# Altium PCB BRD_EPM240.PcbDoc (part 1 of 2)
Units mm, origin at the board's own origin, x right, y up, seen from the top; angles counter-clockwise.
Board outline 70.2 x 70 mm, 2 copper layers (Top Layer, Bottom Layer); 159 components, 112 nets, 540 pads, 248 vias.
Unrouted connection lines stored in the file: 31.
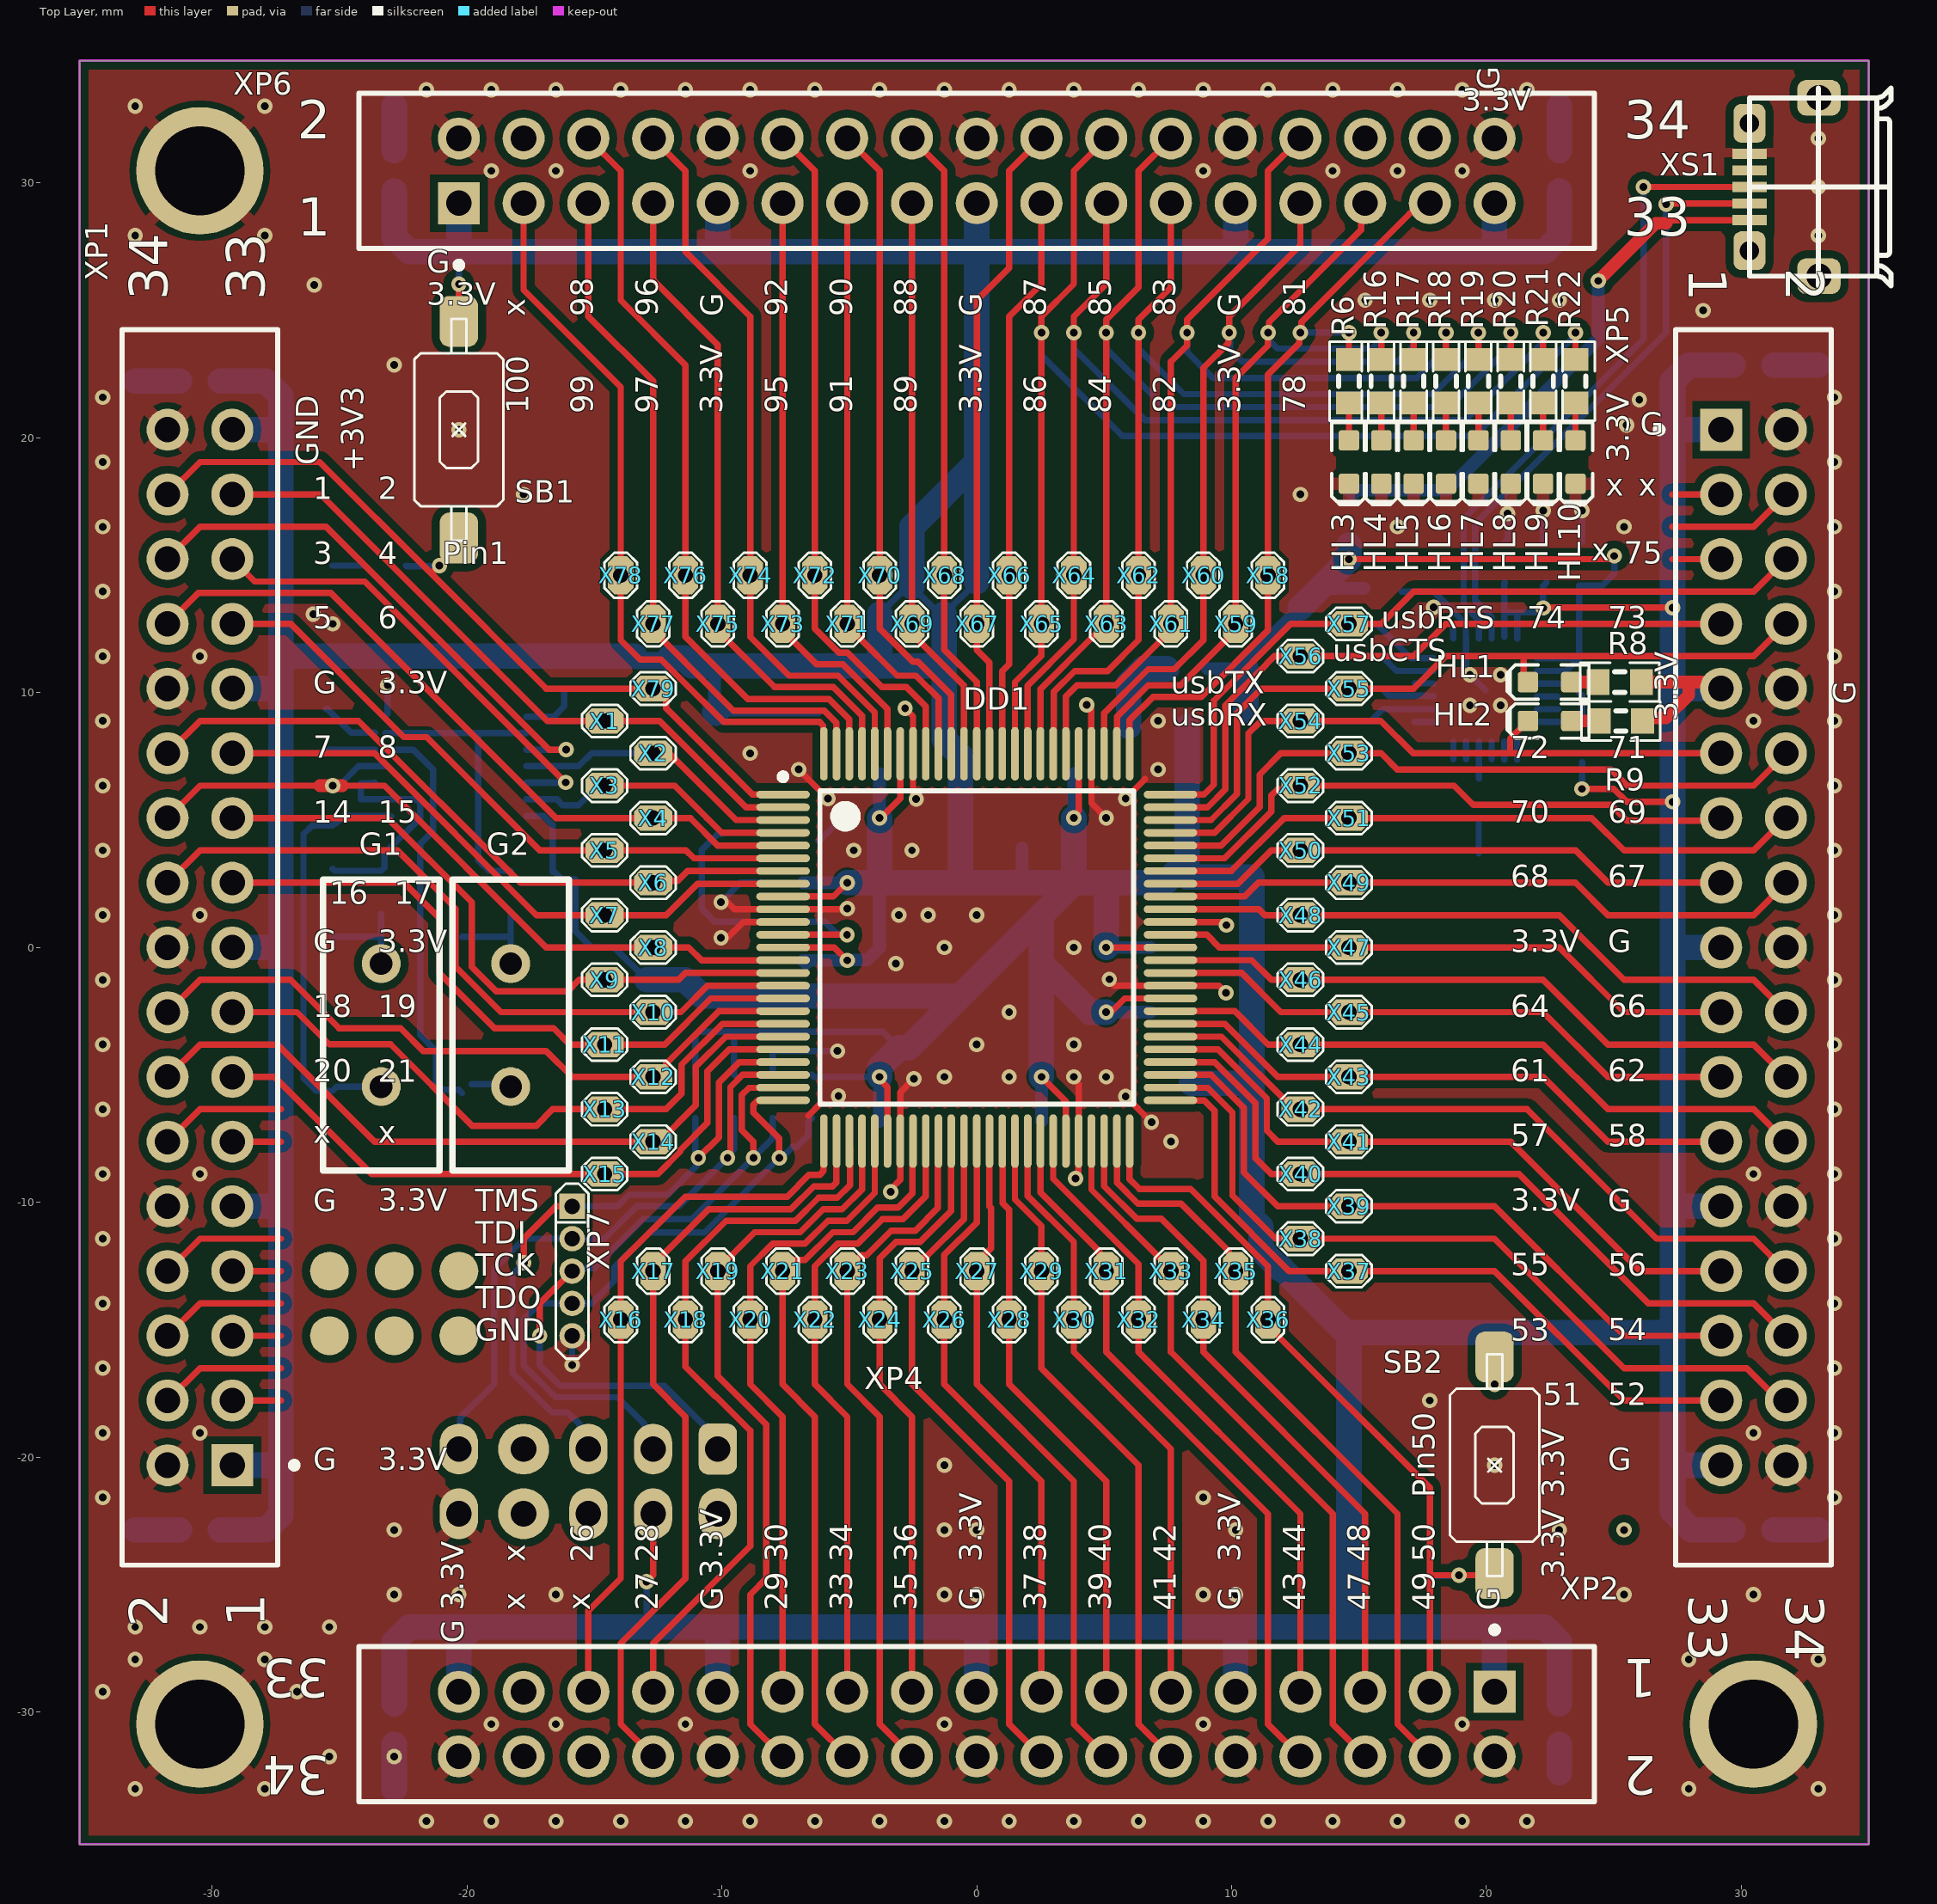
[diagram p0: Top Layer view]
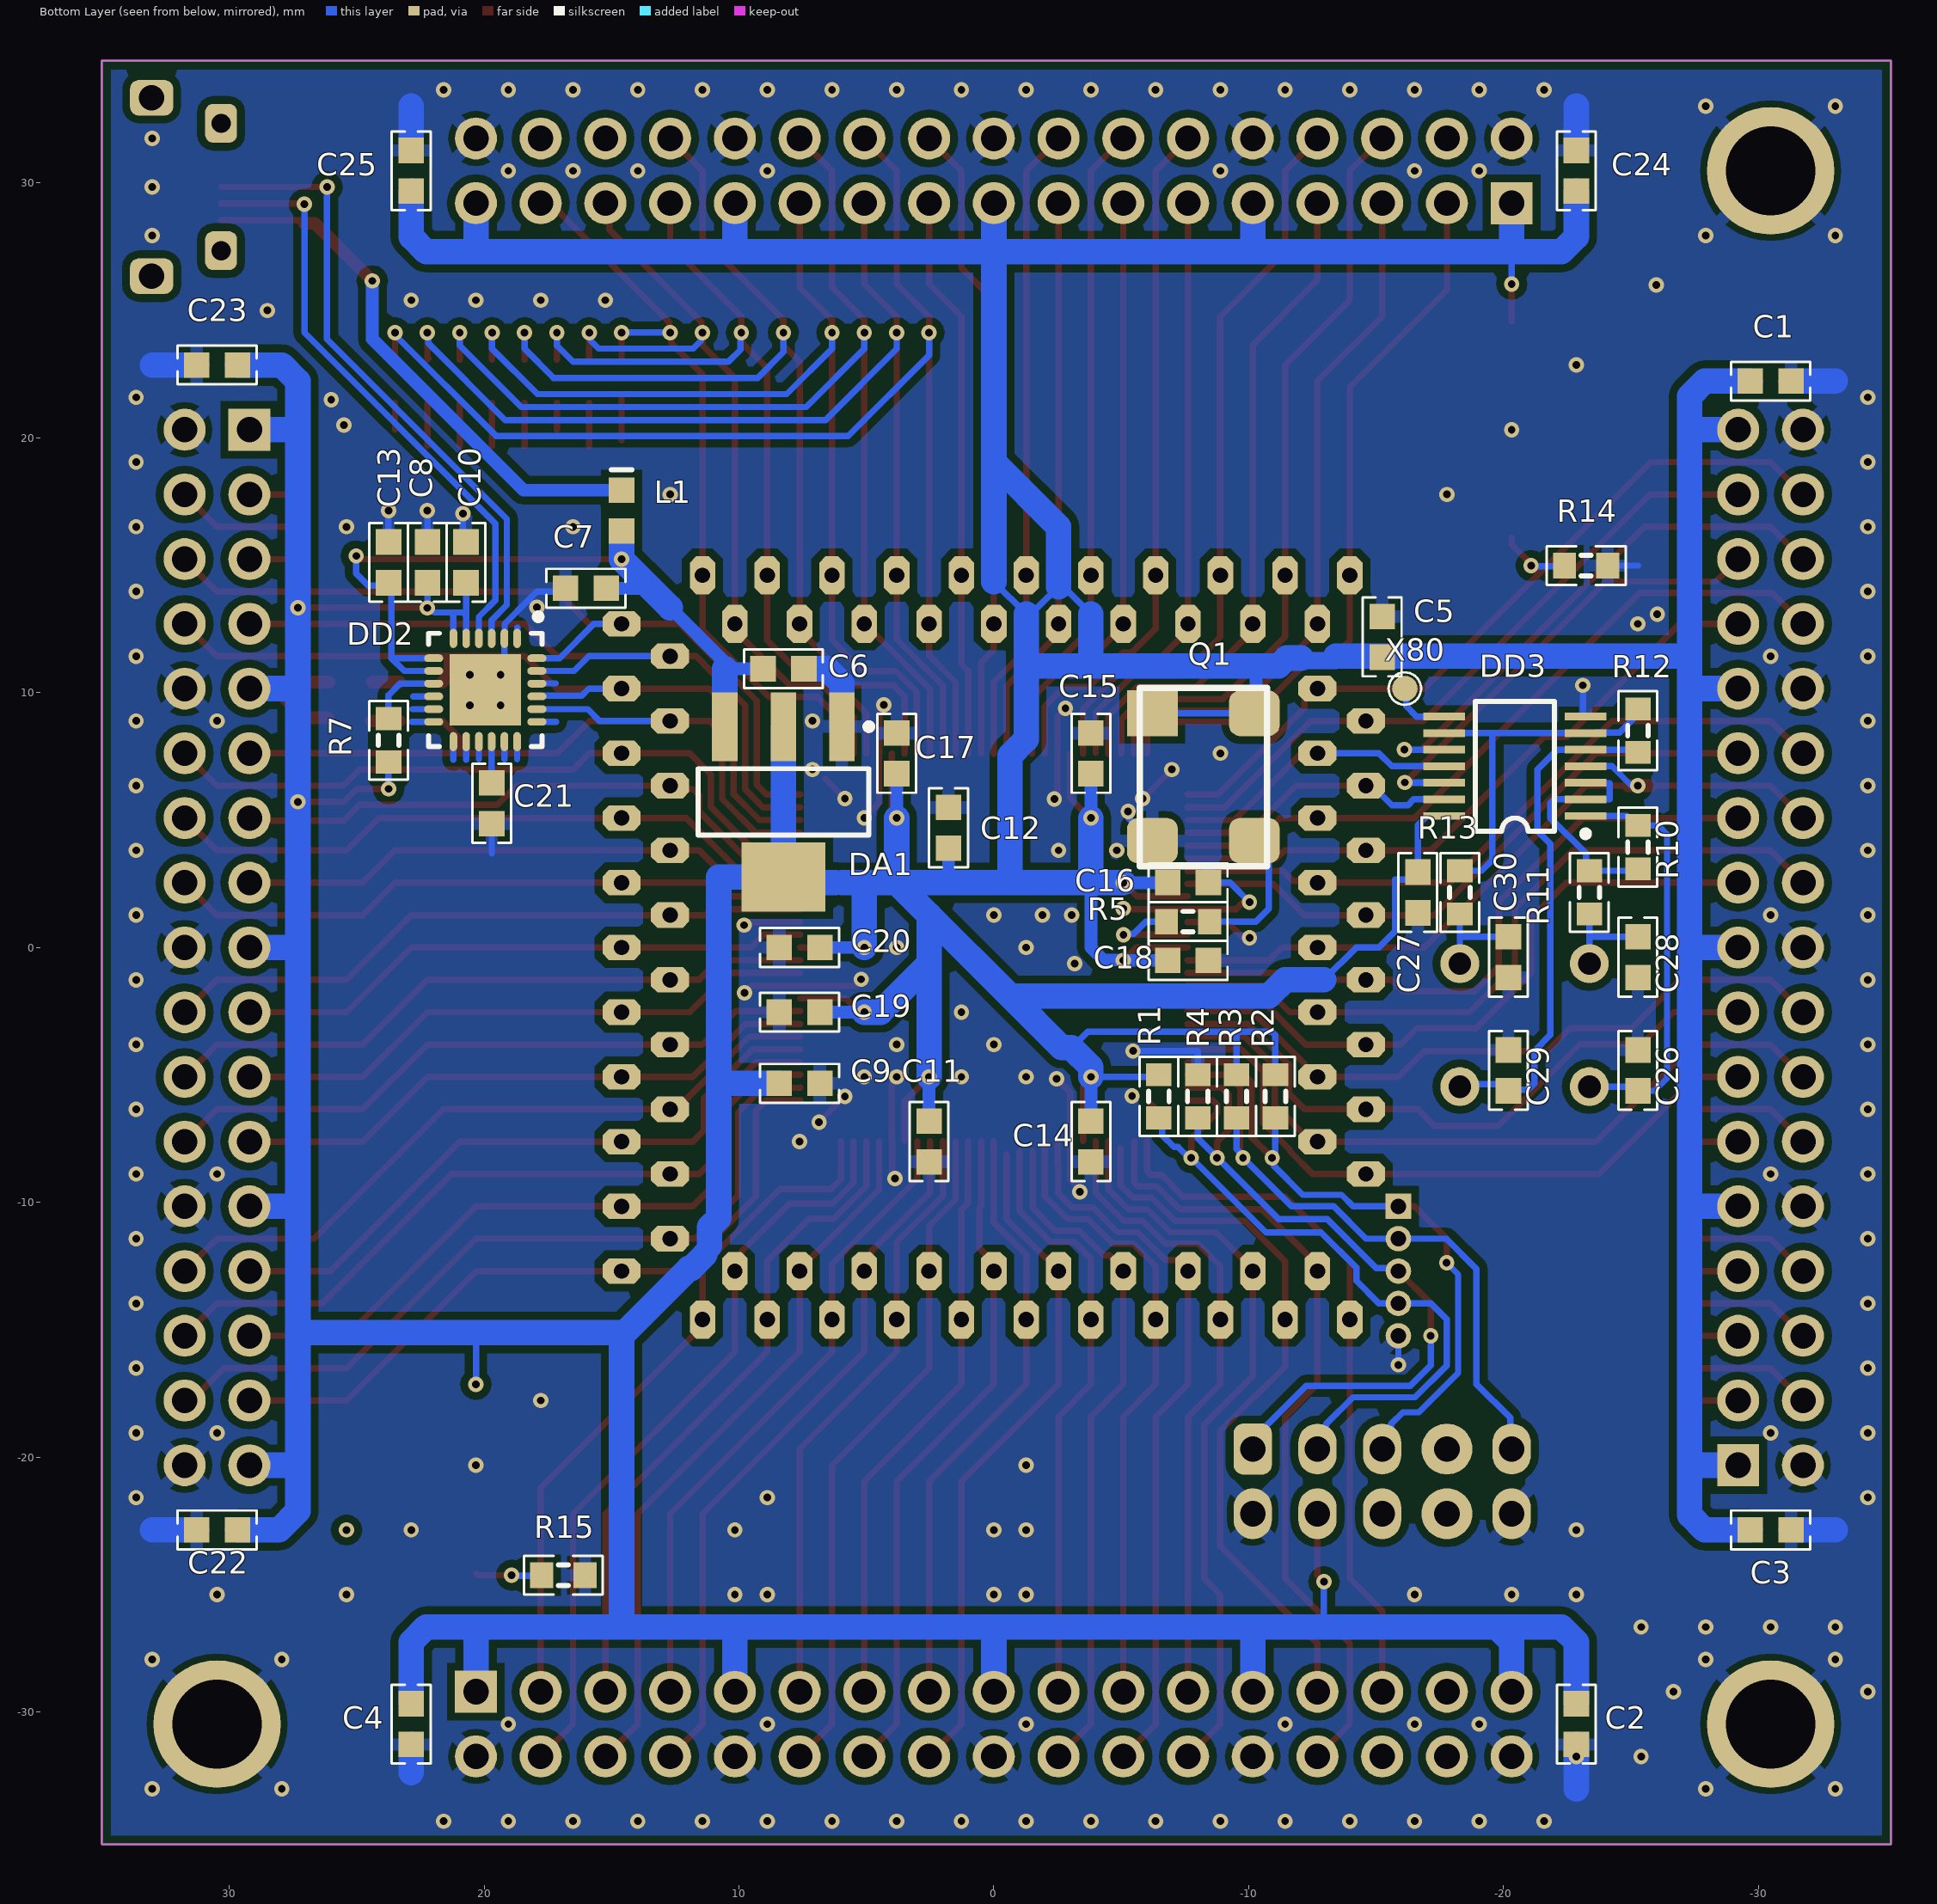
[diagram p1: Bottom Layer view, seen from below]
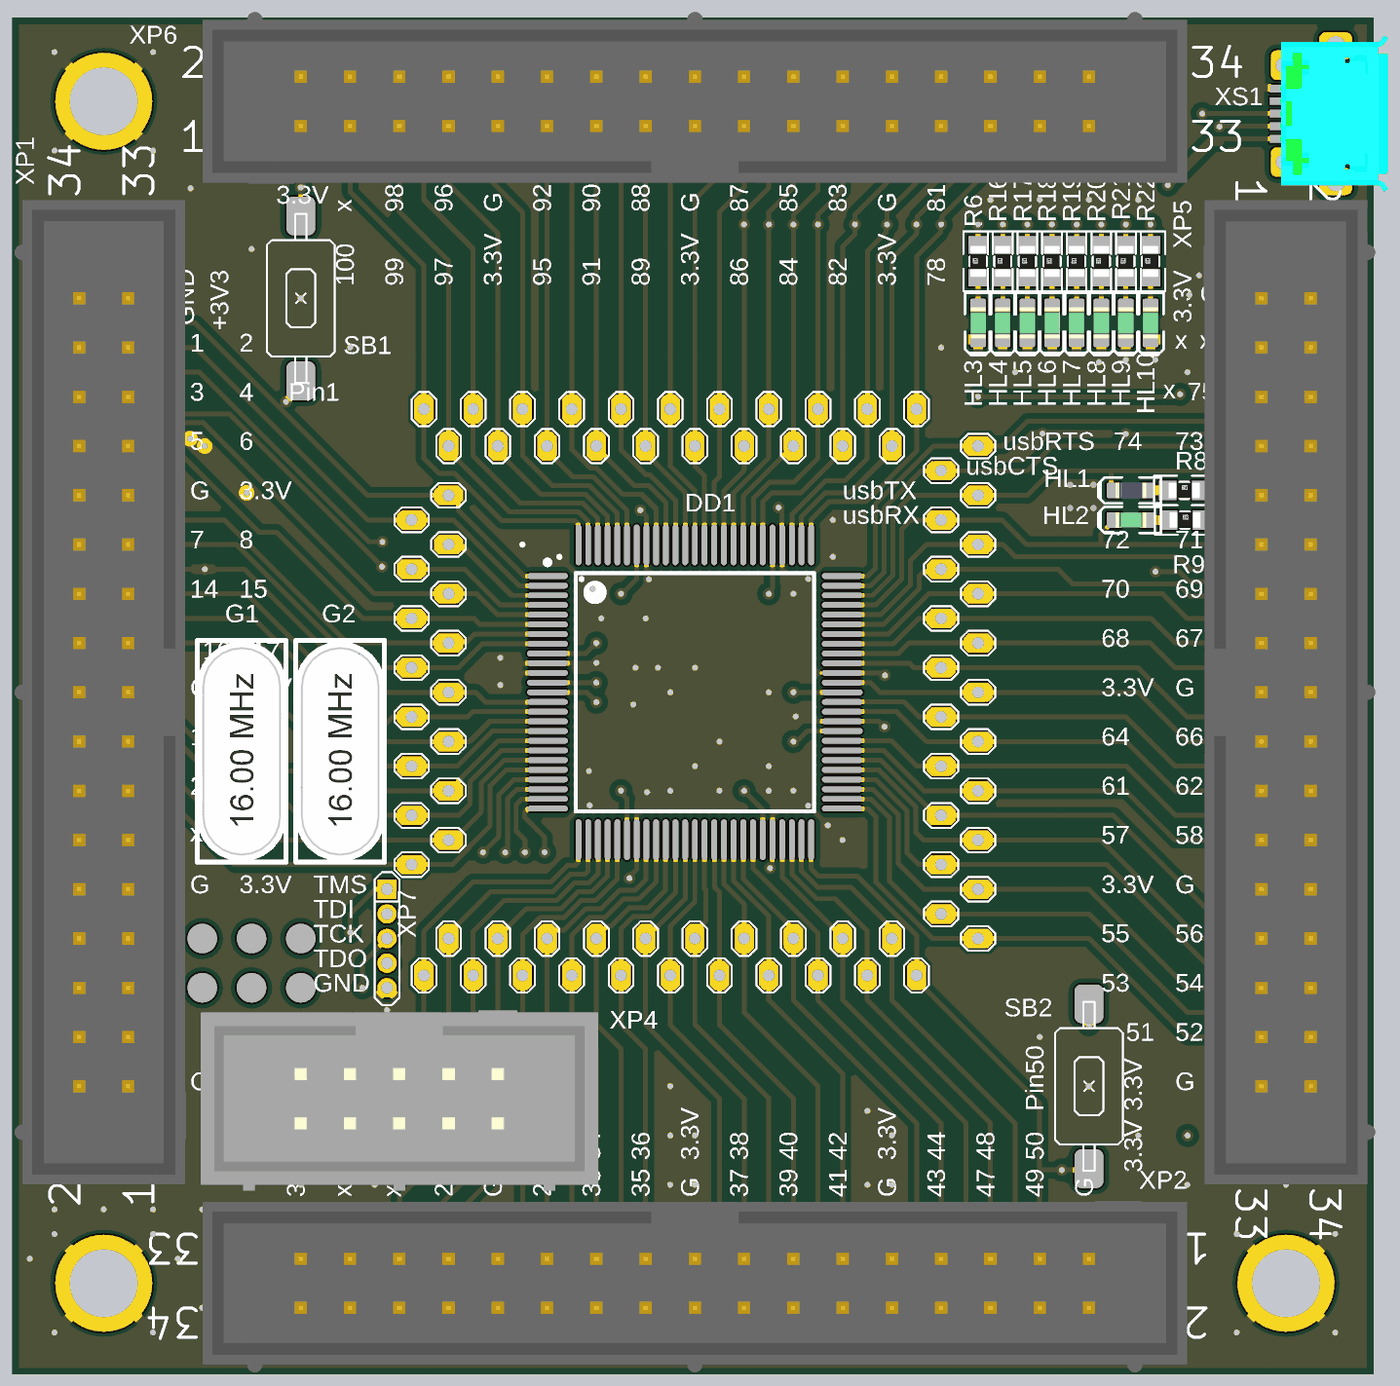
[diagram p3: 3D render of the assembled board from above, using the file's embedded part models]
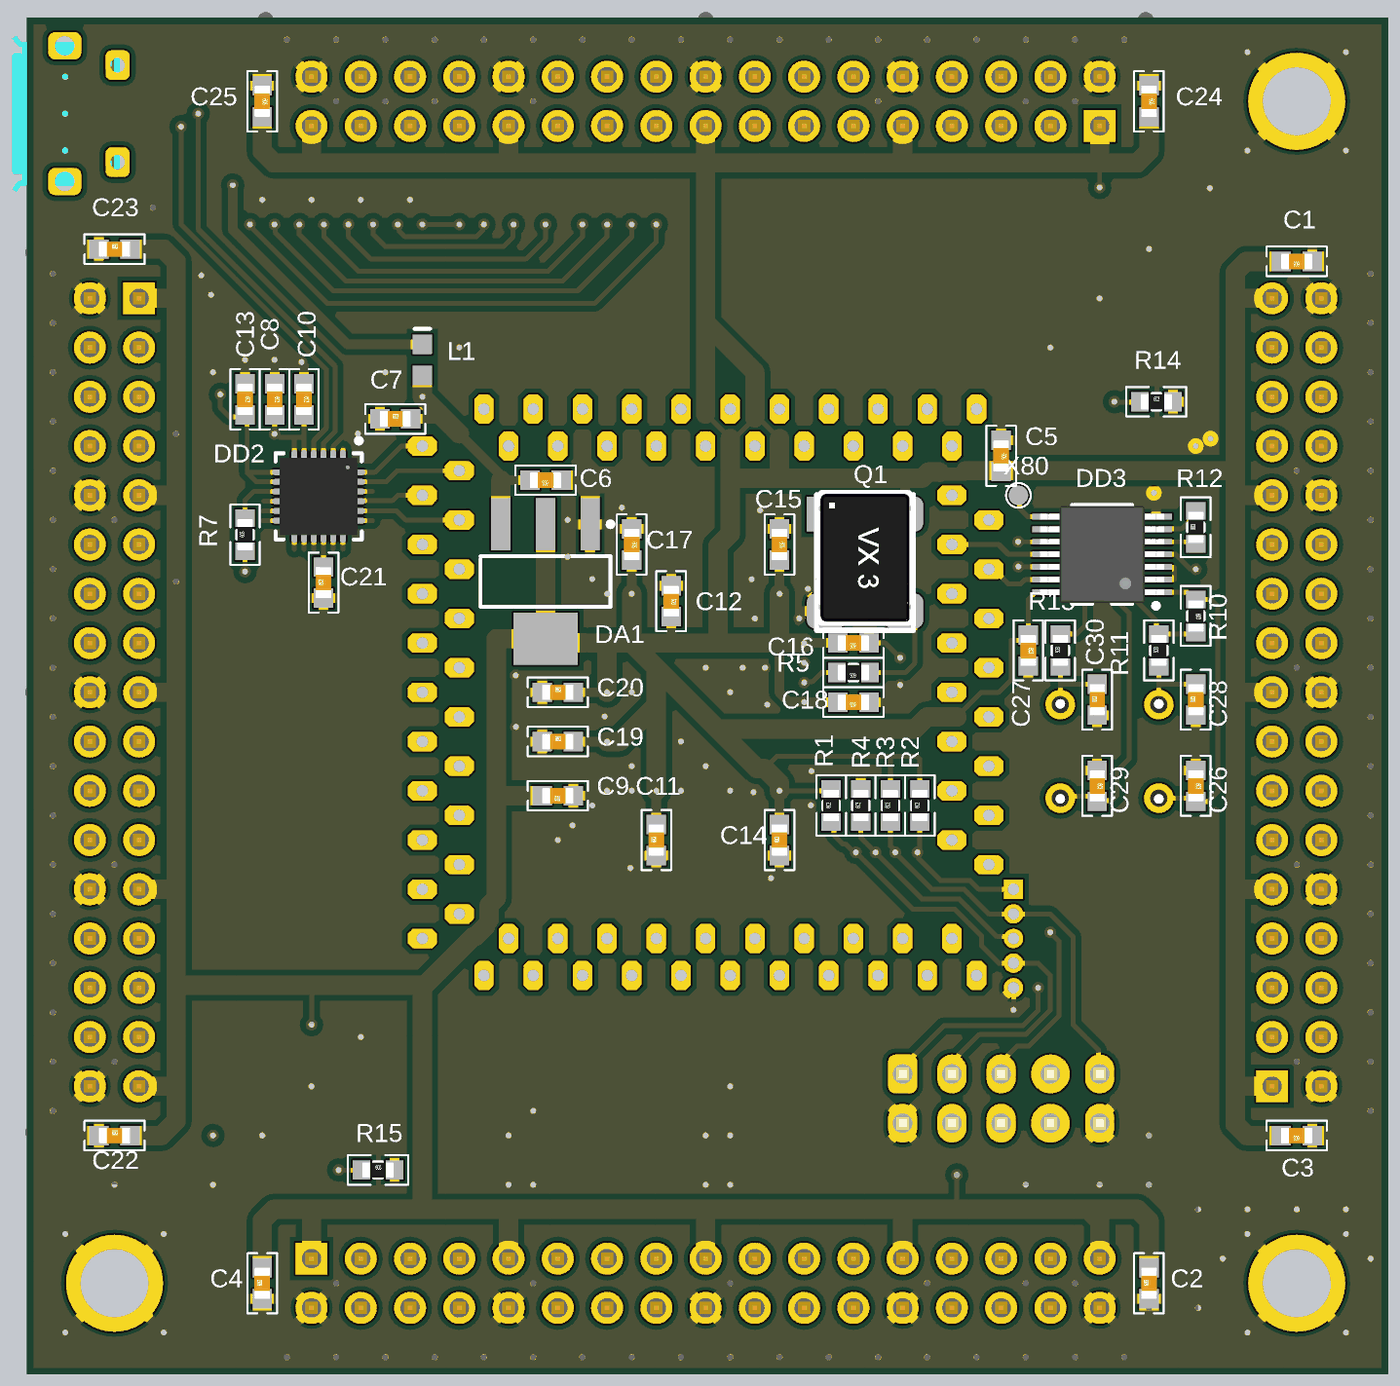
[diagram p4: 3D render of the assembled board from below, using the file's embedded part models]

## Layer stack, top to bottom
Top Solder: solder mask 0.0102, Solder Resist, Dk 3.5
Top Layer: signal copper 0.0356
Dielectric 1: dielectric 0.32, FR-4, Dk 4.8
Bottom Layer: signal copper 0.0356
Bottom Solder: solder mask 0.0102, Solder Resist, Dk 3.5

## Board outline
-35.2,-35.2 -35.2,34.8 35,34.8 35,-35.2

## Design rules (kind name [scope] priority, off if disabled: settings)
Clearance InPoly [InPoly] p1: gap=0.3 ignorepadtopadclearanceinfootprint=TRUE
Clearance [All] p2: gap=0.2 ignorepadtopadclearanceinfootprint=TRUE except(0: Arc-Hole Track-Hole SMDPad-Hole THPad-Hole Via-Hole Fill-Hole Poly-Hole Region-Hole Text-Hole)
PolygonConnect [All] p1: thpad.connectstyle=Relief thpad.reliefconductorwidth=0.5 thpad.reliefentries=4 thpad.polygonreliefangle="45 Angle" thpad.airgapwidth=0.25 smdpad.connectstyle=Relief smdpad.reliefconductorwidth=0.5 smdpad.reliefentries=4 smdpad.polygonreliefangle="90 Angle" smdpad.airgapwidth=0.25 via.connectstyle=Direct via.reliefconductorwidth=0.5 via.reliefentries=4 via.polygonreliefangle="90 Angle" via.airgapwidth=0.25
RoutingVias [All] p1: holewidth=0.5 width=0.7 viastyle="Through Hole" minholewidth=0.3 minwidth=0.6 maxholewidth=0.7 maxwidth=1
SolderMaskExpansion [All] p1: expansion=0.102 istentingtop=FALSE
Width [All] p1: maxlimit=1 minlimit=0.25 preferedwidth=0.5
30 further rules are at their usual default settings.

## Components (designator, comment, footprint, x,y, rotation, side; value= is the part's Value field where it differs from the comment)
C1 "10u" CAPC1608(0603)N -30.48,22.225 r0 bottom
C2 "10u" CAPC1608(0603)N -22.86,-30.48 r90 bottom
C3 "10u" CAPC1608(0603)N -30.48,-22.86 r0 bottom
C4 "10u" CAPC1608(0603)N 22.86,-30.48 r90 bottom
C5 "100n" CAPC1608(0603)N -15.24,12.192 r270 bottom
C6 "100n" CAPC1608(0603)N 8.255,10.936 r0 bottom
C7 "100n" CAPC1608(0603)N 16.002,14.097 r180 bottom
C8 "4.7u" CAPC1608(0603)N 22.225,15.113 r270 bottom
C9 "100n" CAPC1608(0603)N 7.62,-5.334 r0 bottom
C10 "100n" CAPC1608(0603)N 20.714,15.113 r270 bottom
C11 "100n" CAPC1608(0603)N 2.54,-7.62 r90 bottom
C12 "100n" CAPC1608(0603)N 1.778,4.699 r270 bottom
C13 "4.7u" CAPC1608(0603)N 23.749,15.113 r270 bottom
C14 "100n" CAPC1608(0603)N -3.81,-7.62 r90 bottom
C15 "100n" CAPC1608(0603)N -3.81,7.62 r270 bottom
C16 "100n" CAPC1608(0603)N -7.62,2.54 r0 bottom
C17 "100n" CAPC1608(0603)N 3.81,7.62 r270 bottom
C18 "100n" CAPC1608(0603)N -7.62,-0.508 r0 bottom
C19 "100n" CAPC1608(0603)N 7.62,-2.54 r180 bottom
C20 "100n" CAPC1608(0603)N 7.62,0 r180 bottom
C21 "4.7u" CAPC1608(0603)N 19.7,5.658 r90 bottom
C22 "10u" CAPC1608(0603)N 30.48,-22.86 r180 bottom
C23 "10u" CAPC1608(0603)N 30.48,22.86 r180 bottom
C24 "10u" CAPC1608(0603)N -22.86,30.48 r270 bottom
C25 "10u" CAPC1608(0603)N 22.86,30.48 r270 bottom
C26 "18p" CAPC1608(0603)N -25.273,-4.826 r270 bottom
C27 "100p" CAPC1608(0603)N -16.637,2.159 r270 bottom
C28 "18p" CAPC1608(0603)N -25.273,-0.381 r90 bottom
C29 "18p" CAPC1608(0603)N -20.193,-4.826 r270 bottom
C30 "18p" CAPC1608(0603)N -20.193,-0.381 r90 bottom
DA1 "LD1117S33T" SOT223_M 8.255,5.715 r270 bottom
DD1 "EPM240T100C5N" TQFP100_M 0,0 r0 top
DD2 "CP2110-F01-GM" QFN24_N 19.954,10.103 r270 bottom
DD3 "SN74HC14PWR" TSSOP14 -20.447,7.112 r0 bottom
G1 "Crystal" HC-49/S -23.368,-5.461 r90 top
G2 "Crystal" HC-49/S -18.288,-5.461 r90 top
HL1 "LED" LED-0603-BLUE 22.479,10.414 r180 top
HL2 "LED" LED-0603-GREEN 22.479,8.89 r180 top
HL3 "LED" LED-0603-GREEN 14.605,19.05 r270 top
HL4 "LED" LED-0603-GREEN 15.875,19.05 r270 top
HL5 "LED" LED-0603-GREEN 17.145,19.05 r270 top
HL6 "LED" LED-0603-GREEN 18.415,19.05 r270 top
HL7 "LED" LED-0603-GREEN 19.685,19.05 r270 top
HL8 "LED" LED-0603-GREEN 20.955,19.05 r270 top
HL9 "LED" LED-0603-GREEN 22.225,19.05 r270 top
HL10 "LED" LED-0603-GREEN 23.495,19.05 r270 top
L1 "FeriteBead" INDC1608(0603)N 14.605,17.145 r270 bottom
Q1 "SG-8002JF- 100MHz" SG-8002JF -6.223,9.191 r270 bottom
R1 "10k" RESC1608(0603)N -6.477,-5.842 r90 bottom
R2 "10k" RESC1608(0603)N -11.049,-5.842 r90 bottom
R3 "10k" RESC1608(0603)N -9.525,-5.842 r90 bottom
R4 "10k" RESC1608(0603)N -8.001,-5.842 r90 bottom
R5 "10" RESC1608(0603)N -7.62,1.016 r0 bottom
R6 "520" RESC1608(0603)N 14.605,22.225 r90 top
R7 "10k" RESC1608(0603)N 23.749,8.128 r90 bottom
R8 "520" RESC1608(0603)N 25.234,10.414 r0 top
R9 "520" RESC1608(0603)N 25.273,8.89 r0 top
R10 "1M" RESC1608(0603)N -25.273,3.937 r270 bottom
R11 "200" RESC1608(0603)N -23.368,2.159 r90 bottom
R12 "1M" RESC1608(0603)N -25.273,8.509 r90 bottom
R13 "200" RESC1608(0603)N -18.288,2.159 r90 bottom
R14 "10k" RESC1608(0603)N -23.241,14.986 r180 bottom
R15 "10k" RESC1608(0603)N 16.891,-24.638 r180 bottom
R16 "520" RESC1608(0603)N 15.875,22.225 r90 top
R17 "520" RESC1608(0603)N 17.145,22.225 r90 top
R18 "520" RESC1608(0603)N 18.415,22.225 r90 top
R19 "520" RESC1608(0603)N 19.685,22.225 r90 top
R20 "520" RESC1608(0603)N 20.955,22.225 r90 top
R21 "520" RESC1608(0603)N 22.225,22.225 r90 top
R22 "520" RESC1608(0603)N 23.495,22.225 r90 top
SB1 "PTS636 SM43 SMTR LFS" "PTS636 SM43 SMTR LFS" -20.32,20.32 r90 top
SB2 "PTS636 SM43 SMTR LFS" "PTS636 SM43 SMTR LFS" 20.32,-20.32 r90 top
X1 "X1-PLLD1.27-1" PLLS1.27-1 -14.605,8.89 r90 top
X2 "X1-PLLD1.27-1" PLLS1.27-1 -12.7,7.62 r90 top
X3 "X1-PLLD1.27-1" PLLS1.27-1 -14.605,6.35 r90 top
X4 "X1-PLLD1.27-1" PLLS1.27-1 -12.7,5.08 r90 top
X5 "X1-PLLD1.27-1" PLLS1.27-1 -14.605,3.81 r90 top
X6 "X1-PLLD1.27-1" PLLS1.27-1 -12.7,2.54 r90 top
X7 "X1-PLLD1.27-1" PLLS1.27-1 -14.605,1.27 r90 top
X8 "X1-PLLD1.27-1" PLLS1.27-1 -12.7,0 r270 top